# Allegro board pc053c_toplevel_14_removeRj45.brd (continued)
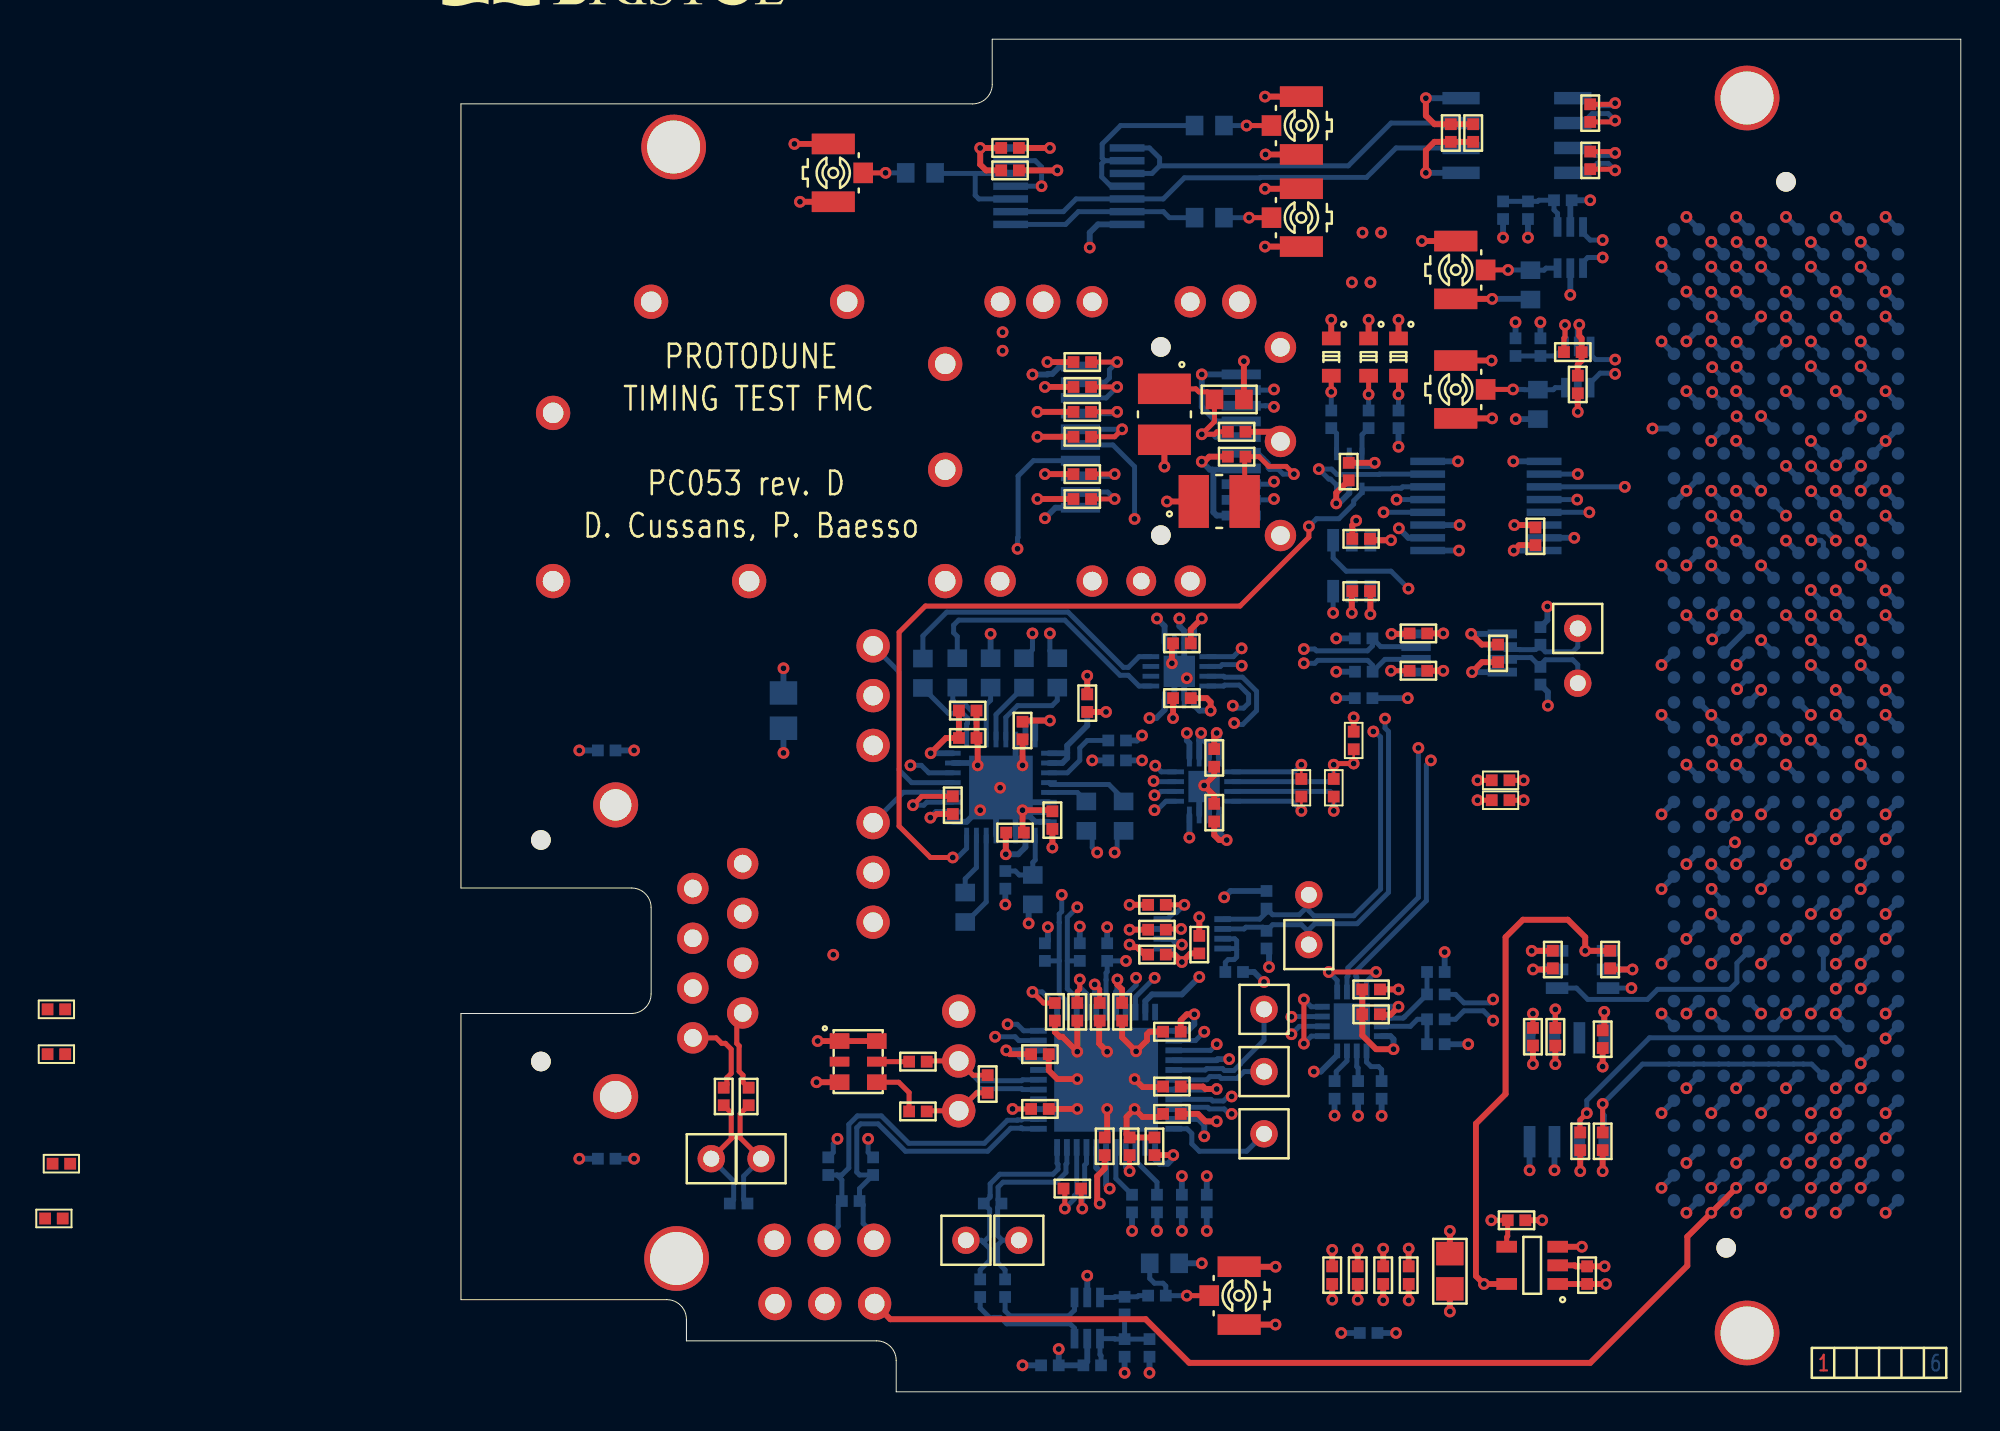
[diagram p0: board, top side]
## Routing (per net, layer and track width the routed paths; a pad name or vN(x,y) marks a point on that pad's centre or on a via; arc(x,y) is an arc through that point) (continued)
P12V: length 5
  L4_SIGN w0.3: v1(70.12,12.95) 70.93,13.75 70.93,14.68 v1(70.12,15.48)
  BOTTOM w0.3: P1.C37 v1(70.12,12.95) ; P1.C35 v1(70.12,15.48)
CDR_LOL: length 45.4
  TOP w0.254: v1(43.25,44.15) 43.25,43.59 39.74,40.08 23.69,40.08 22.35,38.74 22.35,28.85 23.94,27.26 v1(25.09,27.26)
  BOTTOM w0.254: IC10.6 48.03,46.16 47.96,46.09 47.48,46.09 47.45,46.06 IC18.1 45.96,45.87 45.53,45.45 45.53,45.29 44.78,44.54 43.64,44.54 v1(43.25,44.15) ; v1(25.09,27.26) 25.33,27.26 25.79,27.72 IC12.16
CDR_LOS: length 43.4
  L3GND w0.254: v1(22.93,31.96) 22.93,42.24 28.78,48.1 40.32,48.1 41.04,47.37 42.72,47.37 43.02,47.07 v1(43.76,47.07)
  BOTTOM w0.254: IC18.3 44.66,46.25 44.35,46.56 44.26,46.56 v1(43.76,47.07) 44.41,47.07 44.68,46.8 46.83,46.8 46.85,46.81 IC10.7 ; IC12.22 23.86,31.58 23.48,31.96 v1(22.93,31.96)
CLK_IN0_N: length 11.4
  BOTTOM w0.254: 26.65,7.62 26.97,7.31 26.97,6.7 26.48,6.22 C26.2 ; 26.65,7.62 26.55,7.73 TP8.1 ; 26.65,7.62 26.97,7.94 26.97,9.31 R9.2 26.99,9.93 26.99,10.02 26.99,10.02 26.99,10.61 27.48,11.1 30.2,11.1 30.45,11.35 30.45,11.61 30.41,11.66 30.41,12.47
CLK_IN0_P: length 11.1
  BOTTOM w0.254: 27.61,7.73 27.37,7.97 27.37,9.41 R9.1 27.4,9.78 27.4,10.44 27.65,10.69 30.37,10.69 30.86,11.19 30.86,11.61 30.91,11.66 30.91,12.47 ; 27.61,7.73 TP7.1 ; 27.61,7.73 27.37,7.49 27.37,6.6 27.75,6.22 C23.2
CLK_IN1_N: length 18.2
  BOTTOM w0.254: 19.18,11.06 19.42,11.06 19.78,11.42 19.78,13.64 20.22,14.07 21.45,14.07 22.84,12.68 26.7,12.68 27.87,13.85 28.37,13.85 28.39,13.87 28.6,13.87 28.64,13.92 IC4.2 ; 19.18,11.06 18.74,11.06 ; 19.18,11.06 19.43,10.8 R11.1 19.24,9.55 19.24,8.45 J3.2
CLK_IN1_P: length 17.5
  BOTTOM w0.254: J3.3 21.06,8.04 20.51,8.59 20.51,9.55 R11.2 20.33,10.37 21.02,11.06 20.34,11.06 20.19,11.21 20.19,13.47 20.39,13.67 21.28,13.67 22.67,12.27 26.86,12.27 28.04,13.45 28.54,13.45 28.56,13.46 28.6,13.46 28.64,13.42 IC4.1
CLK_IN2_N: length 27.7
  TOP w0.254: C28.2 14.24,14.18 14.24,12.96 TP6.1
  L3GND w0.127: TP6.1 14.29,11.89 14.16,11.76 14.16,10.87 14.29,10.75 15.94,10.75 17.34,12.14 17.34,12.91 22.67,18.24 26.22,18.24 27.04,19.06 27.57,19.06 v1(27.88,18.75)
  BOTTOM w0.254: R8.2 14.42,9.8 14.42,11 TP6.1 ; IC4.11 28.7,18.42 28.37,18.75 v1(27.88,18.75)
CLK_IN2_P: length 28
  TOP w0.254: TP5.1 13.83,12.96 13.78,13.01 13.78,14.23 C22.2
  L3GND w0.127: TP5.1 13.78,11.89 13.91,11.76 13.91,10.77 14.19,10.49 16.05,10.49 17.59,12.04 17.59,12.14 17.62,12.17 17.62,12.79 22.79,17.96 26.33,17.96 26.8,18.43 26.93,18.43 v1(27.25,18.11)
  BOTTOM w0.254: 13.71,9.6 13.91,9.8 13.91,10.75 TP5.1 ; v1(27.25,18.11) 28.26,18.11 28.46,17.92 IC4.10
CLK_RST: length 33.5
  L3GND w0.254: v1(33.92,21.98) 35.93,21.98 36.54,21.37 37,21.37 37.35,21.71 40.48,21.71 40.99,22.22 41.01,22.22 42.61,23.83 57.02,23.83 57.9,22.95 57.9,22.7 57.9,22.4 v1(59.7,20.59)
  BOTTOM w0.254: v1(33.92,21.98) R16.1 32.96,21.43 32.9,21.37 32.9,21.02 32.9,20.05 32.91,20.05 IC4.17 ; IC16.3 v1(59.7,20.59)
CLK_SCL: length 13.9
  TOP w0.254: R41.2 35.99,23.61 v1(36.73,23.61)
  L3GND w0.127: v1(36.73,23.61) 36.26,24.08 33.49,24.08 32.86,24.72 v1(31.44,24.72)
  BOTTOM w0.254: v1(31.44,24.72) 30.93,24.21 30.93,21.98 ; 30.93,21.98 R14.1 ; 30.93,21.98 30.93,20.56 31.41,20.08 IC4.14 ; IC1.3 v1(36.73,23.61)
CLK_SDA: length 16.2
  TOP w0.254: R40.2 v1(36.9,24.84)
  L3GND w0.127: v1(36.9,24.84) 36.39,24.34 33.6,24.34 32.96,24.97 32.07,24.97 31.69,25.35 v1(30.64,25.35)
  BOTTOM w0.254: R15.1 30.52,21.98 ; 30.52,21.98 30.52,23.94 30.52,23.94 30.52,24.37 30.64,24.5 v1(30.64,25.35) ; 30.52,21.98 30.52,20.3 30.91,19.91 IC4.13 ; v1(36.9,24.84) 36.5,24.44 36.35,24.44 36.02,24.11 IC1.4
CTRLVCC: length 0.9
  BOTTOM w0.3: P1.D32 v1(68.85,19.3)
CVCC: length 80.7
  TOP w0.3: v1(51.53,38.66) 52.07,38.12 C16.2 ; C67.2 55.69,22.5 v1(54.61,22.5) ; v1(47.44,43.44) 46.44,43.44 C68.2 ; v1(53.7,42.91) 53.97,43.19 C61.2 ; R39.2 v1(54.68,16.72) ; v1(58.32,19.38) 58.32,18.52 C18.2 ; J8.3 21.9,3.7 34.92,3.7 37.15,1.48 57.6,1.48 62.55,6.43 62.55,7.91 v1(63.77,9.13) v1(65.04,10.41) ; R42.2 v1(50.11,36.78) ; v1(34.1,22.81) 34.23,22.68 34.48,22.68 34.87,22.3 C17.2 ; R103.2 v1(55.82,16.72) ; R138.2 v1(57.09,11.26) ; R1328.2 v1(58.23,11.26)
  BOTTOM w0.3: IC15.1 v1(51.53,38.66) ; v1(38.93,25.23) 39.25,25.55 R242.2 ; IC10.2 48.32,43.56 v1(47.84,44.05) ; v1(40.96,20.91) 40.45,21.41 R1.2 ; P1.G39 v1(65.04,10.41) ; IC10.16 v1(53.7,42.91) ; IC16.6 v1(54.61,22.5) ; v1(41.22,21.67) 41.22,22.49 R43.2 ; R143.2 55.41,39.37 v1(55.41,40.06) ; IC14.6 v1(47.44,43.44) ; IC2.8 v1(58.32,19.38) ; 49.31,44.22 v1(50.93,44.22) ; v1(55.44,35) 55.44,35.7 R142.2 ; P1.H40 v1(63.77,9.13)
F_CDR_CLK_N: length 4
  BOTTOM w0.254: IC12.25 25.79,34.06 25.84,34.11 25.84,34.36 25.58,34.62 24.85,34.62 R55.1
F_CDR_CLK_P: length 3.5
  BOTTOM w0.254: IC12.26 26.29,34.06 26.24,34.11 26.24,34.53 25.75,35.02 25.34,35.02 25.09,35.28 25.09,35.69 R54.1
F_CDR_D_N: length 57.1
  L3GND w0.127: v1(63.82,51) 63.33,51.49 62.75,51.49 62.37,51.87 60.35,51.87 57.17,55.05 52.98,55.05 52.92,54.98 52.28,54.98 52.08,55.18 42.3,55.18 41.38,54.27 40.26,54.27 40.26,54.26 39.14,54.26 39.14,54.27 35.3,54.27 34.43,53.39 27.91,53.39 v1(27.63,53.11)
  L4_SIGN w0.127: v1(27.63,53.11) 27.91,53.39 28.13,53.39 28.26,53.27 28.26,44.53 29.46,43.34 29.46,39.44 29.15,39.13 v1(29.15,38.69)
  BOTTOM w0.254: P1.H8 v1(63.82,51) ; v1(29.15,38.69) 29.15,37.86 R53.2
F_CDR_D_P: length 57.8
  L3GND w0.127: v1(27.63,54.05) 27.63,53.93 27.88,53.67 34.31,53.67 35.18,54.55 39.25,54.55 39.26,54.54 40.14,54.54 40.15,54.55 41.27,54.55 42.18,55.46 52.2,55.46 52.39,55.26 52.8,55.26 52.87,55.33 57.28,55.33 60.47,52.15 62.49,52.15 62.87,51.77 63.33,51.77 v1(63.82,52.27)
  L4_SIGN w0.127: v1(27.63,54.05) 27.63,53.93 27.88,53.67 28.25,53.67 28.54,53.38 28.54,44.64 29.73,43.45 29.73,39.44 30.04,39.13 v1(30.04,38.69)
  BOTTOM w0.254: R52.2 30.04,37.8 v1(30.04,38.69) ; P1.H7 v1(63.82,52.27)
F_FMC_CLK_N: length 88
  TOP w0.254: R18.1 30.8,10.3 v1(30.8,9.35)
  L3GND w0.127: v1(46.39,56.59) 46.05,56.93 46.05,57.05 46.84,57.84 55.85,57.84 60.9,52.79 64.57,52.79 v1(65.07,52.29)
  L4_SIGN w0.127: v1(30.8,9.35) 30.8,9.8 31.11,10.1 31.11,12.84 32.05,13.78 32.05,17.85 34.5,20.3 38.18,20.3 38.78,20.9 38.78,22.42 41.22,24.86 41.22,38.05 38.9,40.36 38.9,50.23 40.45,51.78 40.45,53.73 44.26,57.53 45.69,57.53 46.05,57.17 46.05,56.93 v1(46.39,56.59)
  BOTTOM w0.254: P1.G7 v1(65.07,52.29) ; v1(30.8,9.35) 31.28,9.83 31.28,10 31.41,10.12 31.41,12.47
F_FMC_CLK_P: length 87.4
  TOP w0.254: v1(31.69,9.35) 31.63,9.41 R18.2
  L3GND w0.127: v1(65.07,53.56) 64.57,53.07 61.01,53.07 55.96,58.12 46.72,58.12 45.78,57.17 45.78,56.93 v1(45.44,56.59)
  L4_SIGN w0.127: v1(31.69,9.35) 31.69,9.8 31.39,10.1 31.39,12.73 32.33,13.67 32.33,17.73 34.61,20.02 38.29,20.02 39.06,20.78 39.06,22.3 41.49,24.74 41.49,38.17 39.18,40.48 39.18,50.12 40.73,51.67 40.73,53.61 44.37,57.26 45.57,57.26 45.78,57.05 45.78,56.93 v1(45.44,56.59)
  BOTTOM w0.254: 31.91,12.47 31.91,11.66 31.81,11.56 31.81,9.95 31.69,9.83 v1(31.69,9.35) ; P1.G6 v1(65.07,53.56)
F_GPIO_OUT0_N: length 23.1
  TOP w0.254: v1(58.87,62.31) 58.81,62.37 R45.1
  L4_SIGN w0.127: v1(58.87,62.31) 59.32,62.31 59.62,62.61 59.69,62.61 60.37,61.94 60.37,51.47 62.84,49 64.79,49 64.91,48.87 64.91,48.64 v1(65.04,48.52)
  BOTTOM w0.254: P1.G10 65.04,48.51 v1(65.04,48.52) ; v1(58.87,62.31) 58.51,62.66 57.95,62.66 57.47,62.18 IC8.4
F_GPIO_OUT0_P: length 23
  TOP w0.254: v1(58.87,63.2) 58.8,63.27 R45.2
  L4_SIGN w0.127: v1(65.07,49.76) 65.04,49.76 64.91,49.63 64.91,49.41 64.79,49.28 62.95,49.28 60.65,51.59 60.65,62.05 59.81,62.89 59.62,62.89 59.32,63.2 v1(58.87,63.2)
  BOTTOM w0.254: P1.G9 65.07,49.75 v1(65.07,49.76) ; IC8.3 57.47,63.45 57.85,63.07 58.74,63.07 v1(58.87,63.2)
F_GPIO_OUT1_N: length 58.1
  TOP w0.254: v1(58.87,65.74) 58.81,65.68 R46.1
  L4_SIGN w0.127: v1(63.81,31.96) 64.31,32.44 64.8,32.44 64.84,32.49 69.16,32.49 72.17,35.5 72.17,36.01 74.62,38.45 74.62,60.15 71.82,62.94 64.2,62.94 61.66,65.48 59.12,65.48 v1(58.87,65.74)
  BOTTOM w0.254: IC8.1 57.34,65.99 57.73,65.61 58.74,65.61 v1(58.87,65.74) ; P1.H23 v1(63.81,31.96)
F_GPIO_OUT1_P: length 57.3
  TOP w0.254: R46.2 58.8,64.78 v1(58.87,64.85)
  L4_SIGN w0.127: v1(63.82,33.22) 64.31,32.72 64.68,32.72 64.73,32.76 69.05,32.76 71.9,35.61 71.9,36.12 74.34,38.57 74.34,60.03 71.71,62.66 64.09,62.66 61.55,65.2 59.22,65.2 v1(58.87,64.85)
  BOTTOM w0.254: v1(58.87,64.85) 58.51,65.2 57.7,65.2 57.22,64.72 IC8.2 ; P1.H22 v1(63.82,33.22)
F_MCX_CLK_N: length 6.4
  BOTTOM w0.254: IC5.6 31.29,3.24 31.07,3.47 27.84,3.47 27.51,3.8 27.17,3.8 27.14,3.77 26.98,3.77 26.48,4.27 C26.1
F_MCX_CLK_P: length 5.1
  BOTTOM w0.254: IC5.1 31.29,4.17 31,3.87 28.01,3.87 27.75,4.13 C23.1
F_RJ45_CLK_N: length 4.2
  TOP w0.254: J1.2 14.07,19.03 14.07,17.77 14.19,17.65 14.19,16.34 14.39,16.15 14.39,15.79 14.67,15.52 14.67,15.52
F_RJ45_CLK_P: length 4.3
  TOP w0.254: J1.1 13.02,18.05 13.3,17.78 13.49,17.78 13.78,17.48 13.78,16.24 13.56,16.02 13.56,15.67 13.4,15.52
F_RJ45_D_N: length 65.2
  L3GND w0.127: v1(65.09,35.84) 65.07,35.84 64.94,35.97 64.94,36.2 64.81,36.33 61.97,36.33 59.12,33.48 48.2,33.48 47.43,32.71 25.84,32.71 23.94,30.81 12.89,30.81 10.1,28.02 10.1,24.86 J1.5
  BOTTOM w0.254: P1.G19 65.08,35.84 v1(65.09,35.84)
F_RJ45_D_P: length 69.7
  L3GND w0.127: J1.4 11.7,21.86 9.82,23.74 9.82,28.13 12.78,31.09 23.83,31.09 25.73,32.99 47.32,32.99 48.09,33.76 59.01,33.76 61.85,36.6 64.81,36.6 64.94,36.73 64.94,36.96 v1(65.07,37.09)
  BOTTOM w0.254: v1(65.07,37.09) 65.06,37.09 P1.G18
F_SFP_N: length 30.5
  TOP w0.127: R60.1 v1(42.87,29.64)
  L4_SIGN w0.127: 42.21,37.11 42.21,32.71 41.84,32.34 41.84,31.19 42.55,30.48 42.62,30.55 42.87,30.3 v1(42.87,29.64) ; 42.21,37.11 42.21,38.62 42.21,38.63 42.21,39.73 39.72,42.22 39.72,50.07 40.48,50.83 40.72,50.83 41.02,51.13 v1(41.47,51.13) ; 42.21,37.11 42.21,37.1
  BOTTOM w0.254: IC13.4 42.38,30.13 v1(42.87,29.64) ; J4.12 41.44,51.1 v1(41.47,51.13)
F_SFP_P: length 29.6
  TOP w0.127: 42.87,31.26 v1(42.87,31.99)
  L4_SIGN w0.127: v1(42.87,31.99) 42.87,31.19 42.55,30.88 42.12,31.3 42.12,32.23 42.49,32.6 42.49,38.74 42.49,38.75 42.49,39.84 40,42.33 40,49.95 40.59,50.55 40.72,50.55 41.02,50.24 v1(41.47,50.24)
  BOTTOM w0.254: J4.13 41.04,50.3 41.41,50.3 v1(41.47,50.24) ; IC13.1 42.5,31.63 v1(42.87,31.99)
FMC_GA0: length 18.3
  TOP w0.254: R138.1 57.08,13.24 57.08,13.87 v1(57.42,14.21)
  BOTTOM w0.254: IC2.2 57.05,13.84 v1(57.42,14.21) 57.42,14.86 60.62,18.06 70.09,18.06 P1.C34
FMC_GA1: length 15.8
  TOP w0.254: R1328.1 v1(58.23,14.68)
  BOTTOM w0.254: P1.D35 68.89,16.72 68.47,16.72 68.47,16.72 67.97,16.72 67.97,16.72 67.2,16.72 67.2,16.72 66.7,16.72 66.7,16.72 65.93,16.72 65.93,16.72 65.43,16.72 65.43,16.72 64.66,16.72 64.66,16.72 64.16,16.72 64.16,16.72 63.39,16.72 63.39,16.72 62.89,16.72 62.89,16.72 62.12,16.72 62.12,16.72 61.62,16.72 61.62,16.72 60.27,16.72 v1(58.23,14.68) 58.23,14.18 58.32,14.09 IC2.1
FMC_LA07_N: length 19.2
  L4_SIGN w0.127: v1(63.82,43.36) 63.28,43.86 63.15,43.86 60.99,43.86 59.38,42.24 59.38,38.55 58.26,37.43 57.99,37.43 57.98,37.42 57.22,37.42 56.96,37.16 TP2.1
  BOTTOM w0.254: IC15.3 53.15,37.36 53.25,37.46 53.81,37.46 53.82,37.45 54.58,37.45 R142.1 55.06,37.09 55.31,37.34 56.71,37.34 56.96,37.09 TP2.1 ; v1(63.82,43.36) 63.84,43.36 P1.H14
FMC_LA07_P: length 19.2
  L4_SIGN w0.127: v1(63.77,44.68) 63.27,44.14 63.15,44.14 60.87,44.14 59.1,42.36 59.1,38.66 58.14,37.7 57.87,37.7 57.86,37.7 57.12,37.7 56.96,37.86 TP4.1
  BOTTOM w0.254: v1(63.77,44.68) 63.79,44.68 P1.H13 ; 53.11,38.01 53.26,37.87 53.98,37.87 53.99,37.86 54.75,37.86 54.76,37.87 54.82,37.87 R143.1 55.06,38 55.31,37.75 56.71,37.75 56.96,38 TP4.1
FMC_LA11_N: length 38.9
  L3GND w0.127: v1(46.54,33.68) 46.71,33.85 47.34,33.85 47.6,34.11 52.65,34.11 56.2,37.67 61.79,37.67 63,38.88 63.33,38.88 v1(63.82,38.38)
  BOTTOM w0.254: 43.25,24.83 42.76,24.34 41.4,24.34 R242.1 41.09,24.46 40.74,24.11 38.85,24.11 ; 43.25,24.83 TP1.1 ; 43.25,24.83 43.25,24.54 43.5,24.29 45.54,24.29 46.91,25.65 46.91,33.4 46.62,33.68 v1(46.54,33.68) ; v1(63.82,38.38) 64.41,38.97 P1.H17
FMC_LA11_P: length 39.1
  L3GND w0.127: v1(47.13,34.34) 47.18,34.39 52.53,34.39 56.09,37.95 61.67,37.95 62.88,39.16 63.33,39.16 v1(63.82,39.65)
  BOTTOM w0.254: v1(47.13,34.34) 47.13,33.86 47.31,33.68 47.31,25.48 45.71,23.88 43.55,23.88 43.25,23.57 43.25,23.45 ; 43.25,23.45 TP3.1 ; 43.25,23.45 42.87,23.83 41.4,23.83 R43.1 40.9,23.7 40.03,23.7 39.95,23.61 38.85,23.61 ; P1.H16 63.82,39.66 v1(63.82,39.65)
FMC_SCL: length 58.9
  TOP w0.254: v1(55.82,19.51) 55.82,18.56
  L3GND w0.254: v1(70.12,21.84) 67.67,21.84 66.87,21.03 61.3,21.03 60.21,19.94 58.09,19.94 58.05,19.9 56.21,19.9 v1(55.82,19.51) 55.43,19.9 54.56,19.9 54.5,19.84 54.45,19.84 53.79,19.19 53.79,18.87 50.62,15.7 42.99,15.7 41.15,17.54 40.01,17.54 37.66,19.89 30.55,19.89 27.63,22.81 22.17,22.81 J5.3
  BOTTOM w0.254: IC2.6 55.78,19.46 v1(55.82,19.51) ; P1.C30 v1(70.12,21.84)
FMC_SDA: length 71.7
  TOP w0.254: 54.68,18.56 v1(54.68,19.29)
  L3GND w0.254: v1(70.12,20.57) 67.8,20.57 67.25,20.02 61.15,20.02 59.76,18.62 55.32,18.62 55.07,18.88 55.07,18.9 v1(54.68,19.29) 54.68,18.74 51.13,15.19 40.35,15.19 39.92,15.62 39.52,15.62 35.88,19.26 29.53,19.26 28.94,19.84 28.92,19.84 28.6,20.17 28.6,20.19 26.49,22.29 v1(18.99,22.29)
  L4_SIGN w0.254: J6.3 18.99,30.94 v1(18.99,22.29)
  BOTTOM w0.254: P1.C31 v1(70.12,20.57) ; IC2.5 54.68,18.23 v1(54.68,19.29)
FPGA_CDR_LOL: length 11.3
  L3GND w0.254: v1(65.04,45.97) 64.37,45.29 60.24,45.29 v1(59.36,46.16)
  BOTTOM w0.254: P1.G12 v1(65.04,45.97) ; IC10.11 v1(59.36,46.16)
FPGA_CDR_LOS: length 13.4
  L3GND w0.254: v1(65.04,44.7) 65.76,45.41 65.76,46.03 64.98,46.81 v1(56.96,46.81)
  BOTTOM w0.254: P1.G13 v1(65.04,44.7) ; v1(56.96,46.81) IC10.10
FPGA_CLK_RST: length 11.6
  BOTTOM w0.254: IC16.4 56.89,20.59 57.47,20.02 60.52,20.02 61.03,20.53 64.71,20.53 65.08,20.9 65.08,21.87 P1.G30
FPGA_SFP_LOS: length 15.9
  L3GND w0.254: v1(56.93,45.52) 58.77,45.52 60.31,43.98 65.27,43.98 65.5,43.76 67.13,43.76 67.36,43.98 68.33,43.98 v1(68.88,43.44)
  BOTTOM w0.254: v1(68.88,43.44) 69.37,43.44 69.49,43.31 P1.D14 ; IC10.12 v1(56.93,45.52)
FPGA_SFP_TX_DIS: length 27.4
  L3GND w0.254: v1(68.85,39.62) 68.81,39.62 67.45,40.97 v1(48.33,40.97)
  BOTTOM w0.254: IC14.4 44.49,42.53 45.15,41.86 47.44,41.86 v1(48.33,40.97) ; P1.D17 v1(68.85,39.62)
FPGA_SFP_TX_FLT: length 20.9
  L3GND w0.254: v1(68.85,38.34) 69.57,39.06 69.57,40.94 69.4,41.11 69.4,41.13 69.08,41.45 69.06,41.45 68.91,41.6 66.09,41.6 66.08,41.61 64.01,41.61 64,41.6 63.55,41.6 63.54,41.61 62.74,41.61 62.73,41.6 62.28,41.6 62.27,41.61 61.47,41.61 61.46,41.6 61.01,41.6 61,41.61 58.87,41.61 57.55,42.92 v1(57.55,44.87)
  BOTTOM w0.254: P1.D18 v1(68.85,38.34) ; IC10.13 v1(57.55,44.87)
GPIO_IN0_N: length 21.3
  L3GND w0.127: v1(58.23,58.75) 58.68,58.75 58.99,58.45 59.3,58.45 62.13,55.62 64.41,55.62 70.91,49.12 70.91,47.51 71.04,47.38 71.28,47.38 71.41,47.26 v1(71.41,47.24)
  BOTTOM w0.254: v1(58.23,58.75) 57.6,58.75 57.23,59.12 IC6.6 ; P1.C11 71.41,47.25 v1(71.41,47.24)
GPIO_IN0_P: length 20.7
  L3GND w0.127: v1(70.14,47.26) 70.27,47.38 70.51,47.38 70.63,47.51 70.63,49.01 64.3,55.34 62.01,55.34 59.19,58.17 58.99,58.17 58.68,57.86 v1(58.23,57.86)
  BOTTOM w0.254: v1(58.23,57.86) 57.47,57.86 57.23,57.62 IC6.1 ; P1.C10 70.14,47.25 v1(70.14,47.26)
GPIO_IN1_N: length 19
  L3GND w0.127: v1(58.87,52.66) 58.61,52.4 58.19,52.4 57.7,51.92 57.7,49.89 59.88,47.7 65.73,47.7 66.99,46.44 68.37,46.44 v1(68.87,45.94)
  BOTTOM w0.254: v1(68.87,45.94) 68.88,45.94 P1.D12 ; IC7.6 57.61,52.91 57.87,52.66 v1(58.87,52.66)
GPIO_IN1_P: length 17.9
  L3GND w0.127: v1(68.87,47.21) 68.37,46.72 67.11,46.72 65.84,47.98 60,47.98 57.98,50 57.98,51.8 58.3,52.12 58.67,52.12 v1(58.87,51.93)
  BOTTOM w0.254: IC7.1 57.61,51.47 58.11,51.96 58.84,51.96 v1(58.87,51.93) ; P1.D11 68.89,47.2 v1(68.87,47.21)
IN_N: length 4.3
  BOTTOM w0.254: IC12.4 30.09,30.98 33.05,30.98 33.8,30.23 C44.2
IN_P: length 2.1
  BOTTOM w0.254: C43.2 31.44,30.57 29.99,30.57 IC12.5
IN_SEL0: length 2.3
  TOP w0.254: R17.2 v1(28.13,14.43)
  BOTTOM w0.254: IC4.3 29.44,14.43 v1(28.13,14.43)
IN_SEL1: length 2.1
  TOP w0.254: R19.2 v1(34.1,11.26)
  BOTTOM w0.254: 33.91,12.47 33.91,11.45 v1(34.1,11.26)
OSC_CLK_N: length 7.9
  TOP w0.254: R7.2 26.12,16.15 J2.2 23.79,16.88 C25.2
  BOTTOM w0.254: J2.2 26.4,15.87 28.6,15.87 28.64,15.92 IC4.6
OSC_CLK_P: length 8
  TOP w0.254: C21.2 23.79,14.34 J2.3 26.3,15.25 R7.1
  BOTTOM w0.254: IC4.5 28.64,15.42 28.6,15.46 26.52,15.46 J2.3
REC_CLK_N: length 44.7
  L4_SIGN w0.127: v1(39.44,34.11) 39.82,34.5 40.2,34.5 40.58,34.12 40.58,28.53 38.95,26.9 27.77,26.9 19.73,18.86 19.73,13.17 19.74,13.16 19.74,13.03 19.61,12.91 v1(19.2,12.91)
  BOTTOM w0.254: v1(39.44,34.11) 39.51,34.04 39.87,34.04 40.58,34.75 40.58,35.74 39.86,36.46 38.95,36.46 38.9,36.5 IC17.11 ; v1(19.2,12.91) 19.2,12.87 18.99,12.65 18.99,12.21 C27.1
REC_CLK_P: length 43.6
  L4_SIGN w0.127: v1(20.77,12.91) 20.39,12.91 20.01,13.29 20.01,18.75 27.88,26.62 39.07,26.62 40.86,28.41 40.86,34.23 40.32,34.77 39.59,34.77 v1(39.37,35)
  BOTTOM w0.254: IC17.12 38.9,36 38.95,36.05 39.69,36.05 40.17,35.57 40.17,35.13 39.92,34.88 39.49,34.88 v1(39.37,35) ; v1(20.77,12.91) 20.77,12.21 C24.1
S_CLK_IN: length 4.5
  TOP w0.254: PX1.1 v1(37.02,4.91)
  BOTTOM w0.254: v1(37.02,4.91) C50.1 35.95,5.4 35.81,5.54 35.37,5.54 35.13,5.78 R27.2
S_GPIO_IN0: length 3.7
  TOP w0.254: PX2.1 v1(53.41,57.23)
  BOTTOM w0.254: IC6.3 55.35,57.32 55.24,57.22 R30.2 54.54,57.23 v1(53.41,57.23)
S_GPIO_IN1: length 4.1
  TOP w0.254: PX3.1 v1(53.66,51.13)
  BOTTOM w0.254: v1(53.66,51.13) 54.23,51.13 54.24,51.12 R31.2 55.72,51.12 55.82,51.23 IC7.3
SFP_LOS: length 21.6
  TOP w0.254: 32.14,51.26 v1(33.47,51.26)
  L3GND w0.254: v1(47.72,45.52) 46.71,45.52 42.61,49.61 36.77,49.61 35.12,51.26 v1(33.47,51.26)
  BOTTOM w0.254: J4.8 32.91,50.7 v1(33.47,51.26) ; IC10.5 v1(47.72,45.52)